# Allegro board RK3588_Template_LP4XD200P232SD10_32R6X52R0_2133MHz_H0R80_V10_20230220.brd (continued)
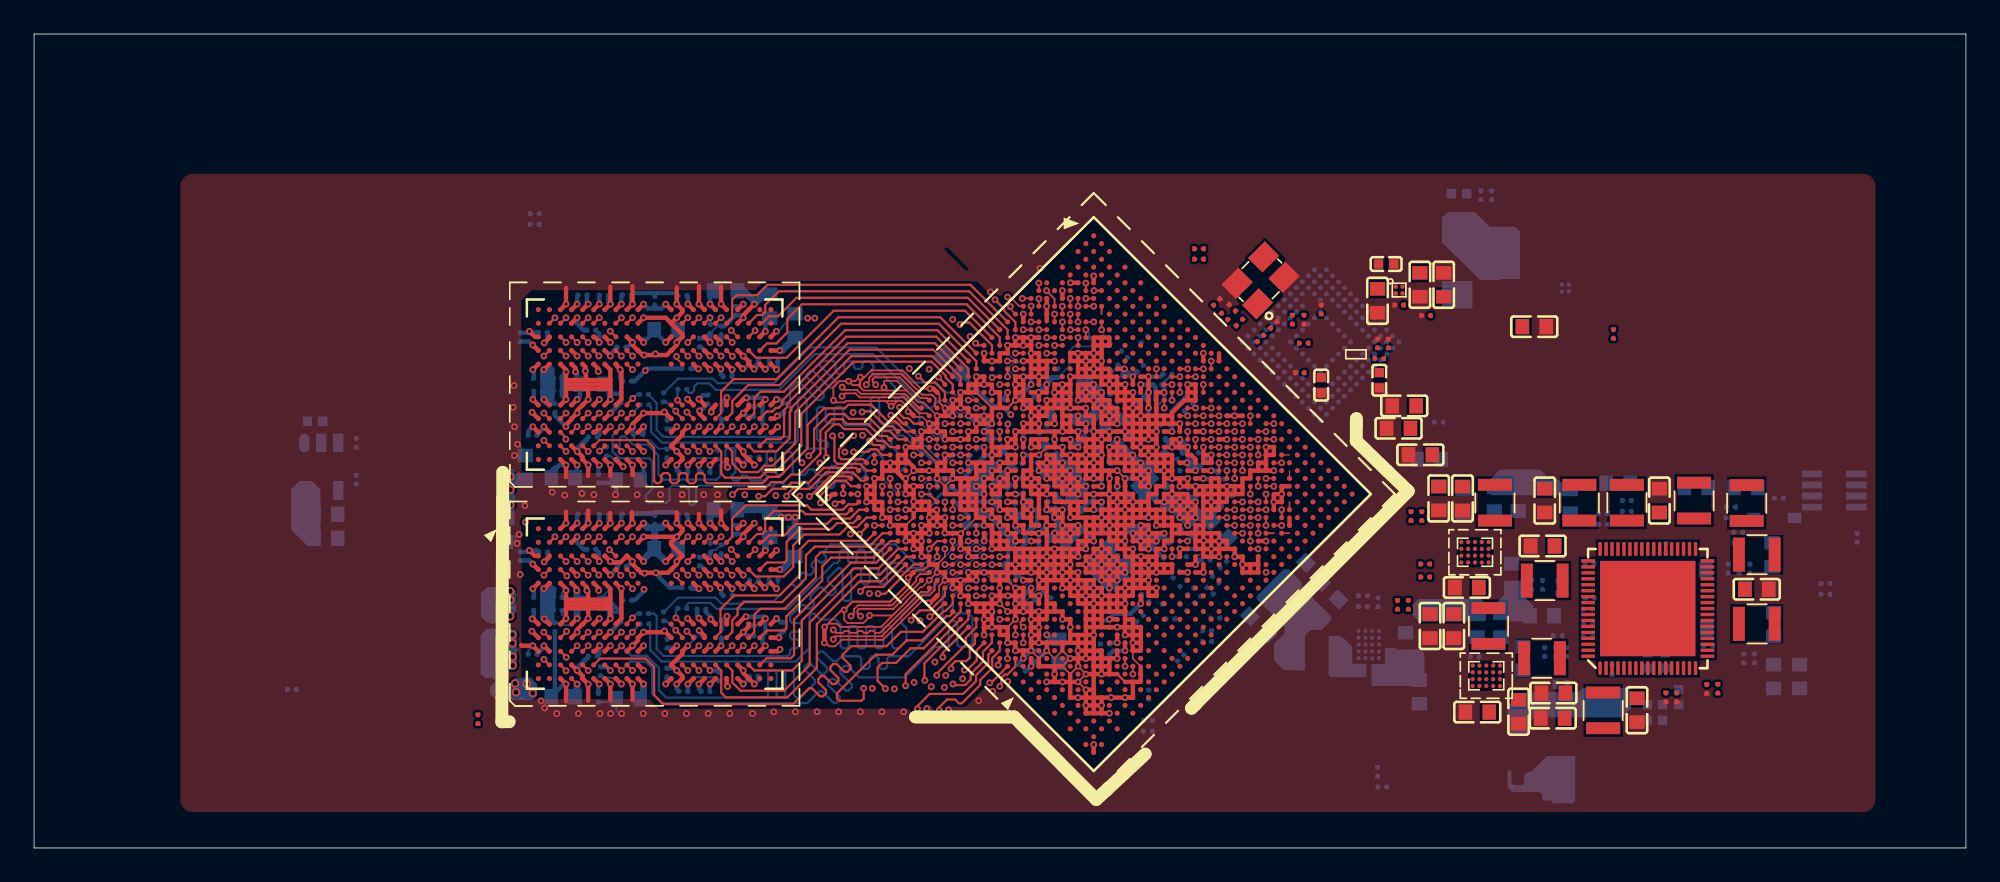
[diagram p0: board, top side]
## Routing (per net, layer and track width the routed paths; a pad name or vN(x,y) marks a point on that pad's centre or on a via; arc(x,y) is an arc through that point) (continued)
DDR_CH1_A5_C: length 29.8
  TOP w0.127: 51.95,24.92 U1000.B11 51.95,24.92 ; 51.95,24.92 51.63,24.92 51.31,25.24 51.05,25.24 50.8,25.49 v1(50.8,25.88) ; U3801.J11 v1(35.12,31.14)
  L8_S3 w0.094: v1(35.12,31.14) 35.59,31.61 36.17,31.61 36.27,31.51 36.27,31.2 36.36,31.11 36.55,31.11 36.64,31.2 36.64,31.51 36.74,31.61 36.92,31.61 37.02,31.51 37.02,31.2 37.11,31.11 37.3,31.11 37.39,31.2 37.39,31.51 37.49,31.61 42.93,31.61 43.04,31.72 43.04,31.87 43.15,31.98 43.37,31.98 43.48,31.87 43.48,31.66 43.57,31.57 43.82,31.57 43.91,31.66 43.91,31.87 44.02,31.98 44.24,31.98 44.33,31.88 44.33,31.08 44.47,30.94 44.62,30.94 44.72,31.04 44.72,31.88 44.81,31.98 45.95,31.98 46.05,31.88 46.05,31.69 46,31.64 45.18,31.64 45.05,31.5 45.05,30.74 45.34,30.45 46.25,30.45 46.35,30.54 46.35,31.19 46.44,31.28 46.63,31.28 46.72,31.19 46.72,30.54 46.82,30.45 47.46,30.45 50.8,27.1 v1(50.8,25.88)
DDR_CH1_A5_D: length 17.8
  TOP w0.127: U3801.P11 v1(38.37,31.14) ; U1000.B14 53.46,26.75 52.87,27.34 52.27,27.34 v1(51.9,27.71)
  L4-S1 w0.094: v1(51.9,27.71) 50.76,27.71 48.5,29.96 41.78,29.96 41.7,30.04 39.47,30.04 v1(38.37,31.14)
DDR_CH1_CLKN_C: length 33.6
  TOP w0.102: U1000.A12 52,25.84
  TOP w0.104: 52,25.84 52,25.84 51.94,25.84 51.11,26.67 50.16,26.67 50.16,26.67 49.99,26.67 49.99,26.67 48.53,26.67 48.3,26.9 47.59,26.9 v1(47.43,27.06) ; U3801.J9 v1(35.12,28.89)
  L4-S1 w0.086: v1(35.12,28.89) 35.12,28.68 35.21,28.59 36.45,28.59 36.95,28.1 36.95,27.7 36.74,27.49 34.05,27.49 33.63,27.91 33.63,28.12 33.43,28.32 30.95,28.32 30.87,28.25 30.87,27.97 30.48,27.57 30.48,27.18 30.53,27.12 38.44,27.12 38.47,27.1 39.52,27.1 39.61,27 44.08,27 44.52,26.56 46.38,26.56 46.74,26.91 47.28,26.91 v1(47.43,27.06)
DDR_CH1_CLKN_D: length 20.6
  TOP w0.104: U3801.P9 v1(38.37,28.89) ; v1(49.4,27.21) 49.22,27.38 49.22,27.53 49.32,27.64 50.8,27.64 51.87,26.57 51.88,26.57 52.03,26.41 52.42,26.41 U1000.A13
  L4-S1 w0.086: v1(38.37,28.89) 38.14,28.66 38.14,28.31 38.72,27.73 39.75,27.73 39.88,27.6 44.12,27.6 44.22,27.7 44.45,27.7 44.55,27.6 44.82,27.6 44.92,27.7 45.15,27.7 45.25,27.6 45.72,27.6 45.87,27.74 45.87,28.02 46.04,28.2 46.75,28.2 46.84,28.28 46.84,28.88 47.04,29.08 47.38,29.08 47.59,28.88 47.59,28.28 47.67,28.2 47.84,28.2 47.92,28.28 47.92,28.58 48.13,28.78 48.47,28.78 48.68,28.58 48.68,28.28 48.76,28.2 49.02,28.2 49.22,27.99 49.22,27.38 v1(49.4,27.21)
DDR_CH1_CLKP_C: length 34.3
  TOP w0.104: U3801.J8 v1(35.12,28.09) ; v1(47.42,26.53) 47.58,26.69 48.21,26.69 48.44,26.46 49.91,26.46 49.91,26.46 50.24,26.46 51.03,26.46 51.48,26.01 51.48,25.99 51.94,25.53 52.39,25.53 U1000.B12
  L4-S1 w0.086: v1(35.12,28.09) 35.12,28.3 35.21,28.39 36.37,28.39 36.74,28.01 36.74,27.78 36.66,27.7 34.13,27.7 33.83,28 33.83,28.21 33.51,28.52 30.86,28.52 30.67,28.33 30.67,28.06 30.27,27.66 30.27,27.09 30.45,26.92 38.36,26.92 38.38,26.9 39.43,26.9 39.53,26.8 43.99,26.8 44.44,26.35 45.81,26.35 45.91,26.25 46.13,26.25 46.24,26.35 46.47,26.35 46.82,26.71 47.25,26.71 v1(47.42,26.53)
DDR_CH1_CLKP_D: length 21.9
  TOP w0.104: U3801.P8 37.7,28.75 v1(37.7,28.87) ; v1(48.84,27.21) 49.01,27.37 49.01,27.62 49.24,27.84 50.89,27.84 51.95,26.77 51.96,26.77 52.12,26.62 52.7,26.62 52.91,26.41 52.91,26.18 52.87,26.15 52.87,25.94 52.97,25.84 U1000.B13
  L4-S1 w0.086: v1(37.7,28.87) 37.94,28.63 37.94,28.22 38.63,27.53 39.67,27.53 39.8,27.4 44.2,27.4 44.3,27.5 44.36,27.5 44.47,27.4 45.81,27.4 46.4,27.99 46.83,27.99 47.04,28.2 47.04,28.79 47.13,28.88 47.3,28.88 47.38,28.79 47.38,28.2 47.59,27.99 47.92,27.99 48.13,28.2 48.13,28.5 48.21,28.58 48.39,28.58 48.47,28.5 48.47,28.2 48.68,27.99 48.93,27.99 49.02,27.91 49.02,27.38 v1(48.84,27.21)
DDR_CH1_DM0_C: length 25.1
  TOP w0.089: U1000.F8 v1(52.08,21.7)
  TOP w0.127: U3801.C3 31.21,24.1 v1(31.21,24.01)
  L4-S1 w0.094: v1(31.21,24.01) 31.54,23.67 31.54,21.94 32.26,21.22 48.43,21.22 48.73,20.92 48.98,20.92 48.98,20.93 48.99,20.93 49.63,21.57 49.63,21.58 50.07,22.01 50.46,22.01 50.73,21.75 50.73,21.67 51.06,21.34 51.27,21.34 51.49,21.56 51.94,21.56 v1(52.08,21.7)
DDR_CH1_DM0_D: length 18.4
  TOP w0.127: U3801.Y3 v1(42.27,24.74) ; v1(57.14,27.68) U1000.D20
  L4-S1 w0.094: v1(57.14,27.68) 56.78,28.03 56.78,28.51 56.39,28.91 56.35,28.91 56.35,28.91 56.08,28.91 56.08,28.91 56.06,28.91 55.89,28.73 55.62,28.73 55.51,28.85 55.3,28.85 53.04,26.59 48.48,26.59 47.61,25.72 43.25,25.72 v1(42.27,24.74)
DDR_CH1_DM1_C: length 26.5
  TOP w0.127: v1(49.78,21.24) 49.78,21.24 U1000.D4 ; U3801.C10 v1(31.22,29.69)
  L8_S3 w0.094: v1(31.22,29.69) 31.64,29.27 33.36,29.27 33.5,29.12 33.5,28.73 33.75,28.48 44.75,28.48 45.81,27.42 45.81,26.39 46.61,25.59 47.54,25.59 47.97,26.02 48.86,26.02 48.97,25.91 48.97,25.2 49.9,24.26 49.9,21.36 v1(49.78,21.24)
DDR_CH1_DM1_D: length 19.3
  TOP w0.127: v1(57.6,29.05) U1000.D22 ; U3801.Y10 v1(42.32,30.39)
  L6-S2 w0.089: v1(57.6,29.05) 57.6,29.51 57.46,29.64 57.46,29.65 57.27,29.84 57.26,29.84 56.98,30.12
  L6-S2 w0.094: v1(42.32,30.39) 44.67,32.73 54.83,32.73 56.98,30.58 56.98,30.12
DDR_CH1_DQ0_C: length 26.4
  TOP w0.127: v1(40.99,20.75) 41.33,21.08 42.88,21.08 43.28,21.48 43.98,21.48 44.42,21.93 44.92,21.93 46.15,23.16 46.15,24.49 46.83,25.17 47.43,25.17 47.7,24.9 48.95,24.9 49.65,24.19 50.05,24.19 U1000.A8 ; U3801.B2 v1(29.92,23.94)
  L8_S3 w0.094: v1(40.99,20.75) 40.52,21.22 39.11,21.22 30.73,21.22 30.73,21.22 30.59,21.22 29.92,21.89 v1(29.92,23.94)
DDR_CH1_DQ0_D: length 15.9
  TOP w0.127: U3801.AA2 42.99,24 43.81,24 44.02,24.22 44.02,25.71 44.21,25.9 44.21,26.1 47.75,29.64 52.87,29.64 U1000.A17
DDR_CH1_DQ1_C: length 24.3
  TOP w0.127: v1(45.47,23.03) 45.49,23.03 45.78,23.32 45.78,24.61 46.66,25.48 47.56,25.48 47.85,25.2 49.08,25.2 49.8,24.48 50.22,24.48 50.7,24 U1000.B9 ; U3801.C2 v1(31.22,23.29)
  L8_S3 w0.094: v1(45.47,23.03) 44.74,23.75 43.83,23.75 43.74,23.65 43.74,23.55 43.65,23.45 43.46,23.45 43.36,23.55 43.36,23.65 43.27,23.75 43.08,23.75 42.99,23.65 42.99,23.55 42.89,23.45 42.71,23.45 42.61,23.55 42.61,23.87 42.52,23.96 31.9,23.96 v1(31.22,23.29)
DDR_CH1_DQ1_D: length 17.1
  TOP w0.127: U1000.B16 54.38,27.67 52.78,29.26 47.86,29.26 44.44,25.84 44.44,25.68 44.35,25.59 44.35,24.06 43.58,23.29 42.27,23.29 U3801.Y2
DDR_CH1_DQ2_C: length 24.7
  TOP w0.127: v1(48.6,25.6) 48.63,25.64 49.1,25.64 49.98,24.77 50.39,24.77 U1000.A9 ; U3801.E2 v1(32.52,23.29)
  L8_S3 w0.094: v1(32.52,23.29) 32.9,23.67 41.99,23.67 43.4,22.25 49.55,22.25 49.66,22.36 49.66,24.03 48.6,25.1 v1(48.6,25.6)
DDR_CH1_DQ2_D: length 18.7
  TOP w0.127: U1000.A16 53.92,27.67 52.71,28.88 47.96,28.88 44.67,25.6 44.67,23.77 43.35,22.44 42.86,22.44 42.49,22.07 41.49,22.07 40.98,22.58 40.98,23.28 U3801.V2
DDR_CH1_DQ3_C: length 27.1
  TOP w0.127: U3801.F2 33.19,23.95 35.93,23.95 36.39,23.5 36.39,21.55 36.52,21.42 36.69,21.42 36.82,21.55 36.82,21.89 36.94,22.02 37.2,22.02 37.33,21.89 37.33,21.55 37.45,21.42 37.71,21.42 37.83,21.55 37.83,21.89 37.96,22.02 38.21,22.02 38.34,21.89 38.34,21.55 38.47,21.42 38.72,21.42 38.85,21.55 38.85,21.89 38.98,22.02 39.23,22.02 39.36,21.89 39.36,21.55 39.48,21.42 42.75,21.42 43.13,21.79 43.73,21.79 45.4,23.47 45.4,24.84 46.37,25.82 47.58,25.82 47.8,26.03 49.13,26.03 50.1,25.06 50.55,25.06 51.15,24.46 51.62,24.46 U1000.B10
DDR_CH1_DQ3_D: length 20.4
  TOP w0.127: U1000.B15 53.92,26.76 53.92,27.22 53.5,27.63 53.5,27.74 52.68,28.55 48.09,28.55 45.03,25.49 45.03,23.61 43.5,22.09 42.96,22.09 42.61,21.75 40.57,21.75 40.33,21.98 40.33,23.24 40.33,23.28 U3801.U2
DDR_CH1_DQ4_C: length 22.3
  TOP w0.127: U3801.F4 v1(33.17,25.54) ; v1(49.32,22.65) U1000.A6
  L8_S3 w0.094: v1(33.17,25.54) 33.17,25.89 33.3,26.02 33.69,26.02 33.69,26.02 33.95,26.02 33.95,26.02 34.34,26.02 34.34,26.02 34.6,26.02 34.6,26.02 34.99,26.02 34.99,26.02 35.25,26.02 35.25,26.02 35.68,26.02 35.78,26.11 35.78,26.44 35.87,26.53 36.06,26.53 36.15,26.44 36.15,25.61 36.22,25.55 36.41,25.55 36.53,25.66 36.53,26.44 36.62,26.53 36.81,26.53 36.91,26.44 36.91,26.11 37.05,25.97 38.72,25.97 38.77,26.02 40.33,26.02 40.42,25.93 40.42,25.59 40.52,25.5 40.71,25.5 40.8,25.59 40.8,25.93 40.89,26.02 41.49,26.02 41.49,26.02 41.75,26.02 41.76,26.02 42.79,26.02 42.79,26.02 43.05,26.02 43.06,26.02 43.44,26.02 43.44,26.02 44.11,26.02 46.49,23.63 48.34,23.63 v1(49.32,22.65)
DDR_CH1_DQ4_D: length 19.4
  TOP w0.127: U3801.U4 40.32,25.54 40.32,26.8 41.05,27.53 43.58,27.53 47.21,31.17 53.18,31.17 U1000.A19
DDR_CH1_DQ5_C: length 22.8
  TOP w0.127: U1000.B7 49.77,23.08 49.42,23.42 49.12,23.42 48.96,23.26 v1(48.1,23.26) ; U3801.E4 v1(32.52,25.54)
  L8_S3 w0.094: v1(32.52,25.54) 32.91,25.15 36.05,25.15 36.15,25.05 36.15,24.74 36.24,24.65 36.43,24.65 36.52,24.74 36.52,25.05 36.62,25.15 36.81,25.15 36.9,25.05 36.9,24.68 36.99,24.59 37.18,24.59 37.28,24.68 37.28,25.05 37.37,25.15 42.08,25.15 42.19,25.26 42.19,25.51 42.3,25.61 42.91,25.61 43.02,25.5 43.02,25.16 43.14,25.04 44.12,25.04 44.23,24.93 44.23,24.65 44.23,24.65 44.23,24.54 44.33,24.45 44.52,24.45 44.61,24.54 44.61,24.78 44.7,24.88 44.82,24.88 46.35,23.35 46.78,23.35 47.27,22.87 47.7,22.87 v1(48.1,23.26)
DDR_CH1_DQ5_D: length 18.7
  TOP w0.127: U3801.V4 40.98,25.55 40.98,26.26 41.91,27.18 43.75,27.18 47.36,30.79 53.11,30.79 55.3,28.6 U1000.B18
DDR_CH1_DQ6_C: length 22.3
  TOP w0.127: U1000.A7 49.66,23.66 49.27,23.66 v1(49.03,23.9) ; U3801.C4 v1(31.22,25.54)
  L8_S3 w0.094: v1(31.22,25.54) 31.22,25.89 31.54,26.21 31.54,26.54 31.85,26.85 34.27,26.85 34.36,26.76 34.36,26.35 34.46,26.26 34.64,26.26 34.74,26.35 34.74,26.76 34.83,26.85 43.71,26.85 46.7,23.86 48.99,23.86 v1(49.03,23.9)
DDR_CH1_DQ6_D: length 16.3
  TOP w0.127: U1000.A18 54.28,29.15 54.27,29.15 53.02,30.4 47.61,30.4 44,26.79 42.64,26.79 42.27,26.43 42.27,25.54 U3801.Y4
DDR_CH1_DQ7_C: length 25.1
  TOP w0.127: U1000.B8 50.24,23.54 49.88,23.91 49.51,23.91 48.82,24.6 47.54,24.6 47.26,24.88 46.95,24.88 46.46,24.39 46.46,22.98 v1(46.5,22.93) ; U3801.B4 v1(29.92,25.54)
  L8_S3 w0.094: v1(29.92,25.54) 30.14,25.76 30.29,25.76 30.98,25.07 31.42,25.07 31.54,24.95 31.54,24.37 31.63,24.27 43.37,24.27 43.52,24.13 45.07,24.13 46.26,22.93 v1(46.5,22.93)
DDR_CH1_DQ7_D: length 15.6
  TOP w0.127: U3801.AA4 42.92,25.54 43.02,25.63 43.33,25.63 43.54,25.84 43.69,25.84 43.91,26.06 43.91,26.28 47.66,30.02 52.95,30.02 54.84,28.14 U1000.B17
DDR_CH1_DQ8_C: length 30.4
  TOP w0.127: v1(45.5,20.65) 45.55,20.65 46.73,21.82 47.82,21.82 U1000.A3 ; U3801.B11 v1(30.57,31.14)
  L6-S2 w0.089: 45,20.09 45.5,20.59 v1(45.5,20.65)
  L6-S2 w0.094: 45,20.09 44.97,20.09 44.95,20.07 30.69,20.07 29.6,21.16 29.6,29.88 30.57,30.85 v1(30.57,31.14)
DDR_CH1_DQ8_D: length 15.5
  TOP w0.127: U3801.AA11 42.72,30.81 43.14,31.23 43.67,31.23 44.75,32.31 54.8,32.31 U1000.A22
DDR_CH1_DQ9_C: length 33.7
  TOP w0.127: U3801.C11 v1(31.22,31.14) ; 48.31,21.24 U1000.B3 48.31,21.24 ; 48.31,21.24 47.95,21.24 47.62,21.57 47.02,21.57 46.16,20.71 v1(46.16,20.26)
  L6-S2 w0.089: 45,19.78 45.67,19.78 v1(46.16,20.26)
  L6-S2 w0.094: 45,19.78 30.56,19.78 29.24,21.1 29.24,23.97 28.9,24.31 28.9,29.72 29.75,30.57 29.75,31.16 30.12,31.53 30.75,31.53 31.14,31.14 v1(31.22,31.14)
DDR_CH1_DQ9_D: length 17.6
  TOP w0.127: U1000.B22 57.14,30.43 54.87,32.69 43.71,32.69 42.91,31.89 42.91,31.48 42.73,31.3 42.43,31.3 U3801.Y11
DDR_CH1_DQ10_C: length 32.5
  TOP w0.127: U1000.A2 v1(47.48,20.8) ; U3801.E11 v1(32.52,31.14)
  L8_S3 w0.094: v1(47.48,20.8) 48.27,21.59 48.97,21.59 49.25,21.31 49.25,21.14 49.51,20.88 49.89,20.88 50.11,21.1 50.11,21.12 50.56,21.57 50.56,21.58 50.6,21.63 50.6,22.96 50.34,23.23 50.34,24.31 49.3,25.35 49.3,26.15 49.03,26.41 47.92,26.41 47.43,25.92 46.71,25.92 46.19,26.44 46.19,27.6 44.92,28.87 43.33,28.87 43.12,29.09 42.76,29.09 42.54,28.87 42.27,28.87 42.16,28.98 42.16,29.46 42.05,29.57 41.68,29.57 41.59,29.48 41.59,29.37 41.49,29.27 39.4,29.27 39.29,29.38 39.29,29.66 39.18,29.77 38.96,29.77 38.85,29.66 38.85,29.38 38.75,29.27 37.25,29.27 37.23,29.26 36.83,29.26 36.49,29.6 36.49,29.67 36.4,29.77 36.26,29.77 36.17,29.67 36.17,29.39 36.07,29.3 35.54,29.3 35.45,29.39 35.45,29.96 35.25,30.16 34.51,30.16 33.96,30.71 32.91,30.71 32.52,31.1 v1(32.52,31.14)
DDR_CH1_DQ10_D: length 18.9
  TOP w0.127: U1000.A23 54.96,33.07 43.04,33.07 42.42,32.46 41.23,32.46 40.97,32.2 40.97,31.14 U3801.V11
DDR_CH1_DQ11_C: length 32.7
  TOP w0.127: U1000.B2 v1(48.35,20.78) ; U3801.F11 v1(33.17,31.14)
  L8_S3 w0.094: v1(48.35,20.78) 49.06,20.78 49.6,20.24 50.16,20.24 50.84,20.91 51.02,21.09 51.02,21.37 51.01,21.38 51.01,21.4 50.84,21.57 50.84,21.58 50.83,21.59 50.83,23.21 50.67,23.37 50.67,24.45 49.64,25.48 49.64,26.44 49.29,26.79 48.81,26.79 48.15,27.45 48.15,27.63 47.84,27.94 46.49,27.94 44.54,29.9 43.28,29.9 43.18,29.79 43.18,29.56 43.07,29.45 42.85,29.45 42.74,29.56 42.74,29.79 42.63,29.9 41.95,29.9 41.86,29.99 41.86,30.39 41.76,30.48 41.59,30.48 41.48,30.37 41.48,30.02 41.39,29.92 41.25,29.92 41.11,30.07 40.02,30.07 39.91,30.18 39.91,30.41 39.8,30.52 39.58,30.52 39.47,30.41 39.47,30.18 39.36,30.07 39.14,30.07 39.04,30.18 39.04,30.41 38.93,30.52 38.71,30.52 38.6,30.41 38.6,30.18 38.49,30.07 38.27,30.07 38.16,30.18 38.16,30.41 38.05,30.52 37.83,30.52 37.73,30.41 37.73,30.18 37.62,30.07 37.4,30.07 37.29,30.18 37.29,30.41 37.18,30.52 36.96,30.52 36.85,30.41 36.85,30.18 36.74,30.07 36.56,30.07 36.16,30.46 34.61,30.46 33.93,31.14 v1(33.17,31.14)
DDR_CH1_DQ11_D: length 20
  TOP w0.127: U1000.B23 57.59,30.88 56.94,31.54 56.94,31.66 v1(56.4,32.2) ; U3801.U11 v1(40.32,31.14)
  L6-S2 w0.094: v1(56.4,32.2) 55.85,32.2 54.97,33.07 44.47,33.07 42.96,31.57 40.75,31.57 v1(40.32,31.14)
DDR_CH1_DQ12_C: length 26.3
  TOP w0.127: U1000.A5 48.86,22.62 48.65,22.83 48.47,22.83 47.38,22.83 47.24,22.97 47.24,23.42 47.99,24.17 48.06,24.17 v1(48.1,24.21) ; v1(33.14,28.89) 33.17,28.89 U3801.F9
  L8_S3 w0.094: v1(48.1,24.21) 48.12,24.23 48.12,24.36 47.28,25.2 46.5,25.2 45.09,26.61 45.09,26.92 45.33,27.16 45.33,27.31 45.18,27.47 45.02,27.47 44.78,27.23 44.63,27.23 44.48,27.38 44.48,27.54 44.72,27.78 44.72,27.93 44.49,28.15 44.18,28.15 44.08,28.05 44.08,27.77 43.89,27.58 38.66,27.58 38.55,27.69 38.55,28.05 38.44,28.16 38.22,28.16 38.11,28.05 38.11,27.69 38,27.58 37.79,27.58 37.68,27.69 37.68,28.05 37.57,28.16 37.35,28.16 37.24,28.05 37.24,27.69 37.13,27.58 36.91,27.58 36.8,27.69 36.8,28.05 36.69,28.16 36.48,28.16 36.37,28.05 36.37,27.69 36.24,27.56 33.62,27.56 33.49,27.69 33.49,28.22 33.14,28.57 v1(33.14,28.89)
DDR_CH1_DQ12_D: length 18
  TOP w0.127: 55.76,29.51 U1000.A20 55.76,29.51 ; 55.76,29.51 55.39,29.51 v1(55.26,29.64) ; U3801.U9 v1(40.32,28.89)
  L6-S2 w0.094: v1(40.32,28.89) 40.64,28.57 40.64,27.85 40.75,27.75 43.96,27.75 46.29,30.08 54.19,30.08 54.7,29.57 55.19,29.57 v1(55.26,29.64)
DDR_CH1_DQ13_C: length 26.7
  TOP w0.127: U1000.B5 48.87,22.16 48.47,22.56 47.15,22.56 46.97,22.73 46.97,24.1 v1(46.87,24.2) ; U3801.E9 v1(32.52,28.89)
  L8_S3 w0.094: v1(46.87,24.2) 46.87,24.39 44.05,27.21 31.7,27.21 31.23,26.73 30.63,26.73 30.55,26.81 30.55,27.47 30.66,27.58 32.66,27.58 32.76,27.68 32.76,28.3 32.52,28.54 v1(32.52,28.89)
DDR_CH1_DQ13_D: length 17.8
  TOP w0.127: U3801.V9 v1(40.98,28.87) ; v1(54.34,30.73) 54.47,30.86 54.89,30.86 56.22,29.53 56.22,29.05 U1000.B20
  L6-S2 w0.094: v1(54.34,30.73) 54.31,30.73 53.96,30.38 46.04,30.38 44.2,28.54 41.32,28.54 v1(40.98,28.87)
DDR_CH1_DQ14_C: length 30.6
  TOP w0.127: v1(42.53,20.66) 42.91,20.66 43.35,21.1 44.1,21.1 44.45,21.45 45.47,21.45 46.34,22.33 48.24,22.33 U1000.A4 ; U3801.C9 v1(31.22,28.89)
  L8_S3 w0.094: v1(42.53,20.66) 42.42,20.76 42.42,21.32 42.19,21.56 30.84,21.56 30.42,21.98 30.42,24.2 30.19,24.42 29.11,24.42 28.89,24.64 28.89,28.4 29.73,29.24 30.86,29.24 v1(31.22,28.89)
DDR_CH1_DQ14_D: length 16.2
  TOP w0.127: U3801.Y9 42.37,28.79 44.17,28.79 46.93,31.55 54.64,31.55 U1000.A21
DDR_CH1_DQ15_C: length 28.8
  TOP w0.127: U1000.B4 48.86,21.7 48.72,21.56 48.54,21.56 48.05,22.06 46.48,22.06 45.51,21.09 44.52,21.09 44.17,20.74 v1(44.17,20.66) ; U3801.B9 v1(29.92,28.89)
  L8_S3 w0.094: v1(29.92,28.89) 29.6,28.56 29.6,27.5 29.7,27.39 30.09,27.39 30.2,27.28 30.2,27.06 30.09,26.96 29.72,26.96 29.61,26.85 29.61,26.48 29.6,26.47 29.6,26.21 29.55,26.15 29.55,25.23 29.72,25.06 29.79,25.06 30.05,25.06 30.05,25.06 30.26,25.06 30.8,24.52 30.8,22.05 30.91,21.94 42.89,21.94 v1(44.17,20.66)
DDR_CH1_DQ15_D: length 16.9
  TOP w0.127: 56.68,29.51 U1000.B21 56.68,29.99 54.73,31.93 45.06,31.93 44.21,31.07 44.21,30.28 43.56,29.63 43.01,29.63 U3801.AA9
DDR_CH1_DQS0N_C: length 30.6
  TOP w0.104: U1000.D9 v1(51.62,23.08) ; U3801.E3 v1(32.52,24.74)
  L6-S2 w0.089: v1(32.52,24.74) 32.39,24.74 32.3,24.65 32.3,24.17 32.39,24.08 36.33,24.08 36.55,23.86 36.55,22.08 36.69,21.94 41.82,21.94 41.91,22.02 42.53,22.02 42.64,22.13 42.64,23.3 42.86,23.52 43.23,23.52 43.45,23.3 43.45,22.13 43.54,22.03 43.74,22.03 43.83,22.13 43.83,23.28 44.05,23.5 44.41,23.5 44.51,23.4 44.52,23.4 44.64,23.28 44.64,22.16 44.74,22.06 46.58,22.06 46.95,22.43 47.07,22.56 48.13,22.56 48.95,23.37 49.66,23.37 49.68,23.39 49.69,23.39 49.76,23.46 49.76,23.47 49.76,23.72 50.08,24.05 50.46,24.05 50.78,23.72 50.78,23.03 51.06,22.76 51.18,22.76 51.26,22.84 51.39,22.84 51.47,22.76 51.66,22.76 51.74,22.83 51.74,22.96 v1(51.62,23.08)
DDR_CH1_DQS0N_D: length 21.9
  TOP w0.104: v1(56.68,25.38) U1000.G16 ; U3801.V3 v1(40.97,24.74)
  L6-S2 w0.089: v1(40.97,24.74) 41.1,24.74 41.19,24.83 41.19,25 41.04,25.15 41.04,26.78 41.43,27.18 45.19,27.18 47.42,29.41 52.97,29.41 53.01,29.37 56.78,25.61 56.78,25.48 v1(56.68,25.38)
DDR_CH1_DQS0P_C: length 31.3
  TOP w0.102: U1000.E9 v1(52.08,22.62) U1000.E9
  TOP w0.104: U3801.D3 v1(31.87,24.74)
  L6-S2 w0.089: v1(31.87,24.74) 31.97,24.74 32.09,24.61 32.09,24.09 32.31,23.87 32.48,23.87 36.24,23.87 36.34,23.77 36.34,21.99 36.6,21.73 36.77,21.73 36.77,21.73 41.91,21.73 41.99,21.82 42.62,21.82 42.84,22.04 42.84,22.21 42.84,23.21 42.94,23.31 43.14,23.31 43.24,23.21 43.24,22.04 43.46,21.83 43.82,21.83 44.04,22.04 44.04,23.2 44.14,23.3 44.33,23.3 44.43,23.2 44.44,23.2 44.44,22.07 44.65,21.86 46.66,21.86 47.16,22.35 48.22,22.35 49.04,23.17 49.75,23.17 49.77,23.19 49.77,23.19 49.96,23.38 49.96,23.55 49.96,23.55 49.96,23.64 50.17,23.84 50.37,23.84 50.58,23.64 50.58,22.95 50.98,22.54 52,22.54 v1(52.08,22.62)
DDR_CH1_DQS0P_D: length 22.1
  TOP w0.104: U1000.H16 57.14,24.88 57.14,24.88 57.14,24.9 v1(57.15,24.9) ; U3801.W3 v1(41.62,24.74)
  L6-S2 w0.089: v1(41.62,24.74) 41.49,24.74 41.4,24.83 41.4,25.08 41.24,25.23 41.24,26.7 41.52,26.97 45.27,26.97 47.5,29.21 52.89,29.21 53.01,29.09 55.15,26.94 55.15,26.93 56.31,25.77 56.31,25.27 56.68,24.9 v1(57.15,24.9)
DDR_CH1_DQS1N_C: length 32.7
  TOP w0.102: U1000.D5 v1(50.24,21.7) U1000.D5
  TOP w0.104: U3801.E10 v1(32.52,29.69)
  L6-S2 w0.089: v1(50.24,21.7) 50.28,21.73 50.28,21.87 50.1,22.04 48.93,22.04 48.57,21.68 47.63,21.68 47.52,21.56 47.15,21.2 45.01,21.2 42.25,21.2 42.16,21.11 33.12,21.11 32.84,21.4 31.11,21.4 30.48,22.02 30.48,29.79 31.03,30.34 32.02,30.34 32.31,30.06 32.31,29.78 32.4,29.69 v1(32.52,29.69)
DDR_CH1_DQS1N_D: length 22.3
  TOP w0.104: U3801.V10 v1(40.97,29.69) ; U1000.E21 v1(57.6,28.13)
  L6-S2 w0.089: v1(40.97,29.69) 40.96,29.84 41.05,29.95 41.13,29.95 41.41,29.95 41.78,29.58 43.25,29.58 43.27,29.6 43.27,29.6 43.43,29.76 44.06,29.76 44.56,30.26 44.56,31.5 44.56,31.5 44.56,31.52 45.03,31.99 54.52,31.99 55.76,30.75 55.76,30.67 55.76,30.1 56.55,29.3 56.55,28.41 56.76,28.19 56.76,28.19 56.86,28.09 57.21,28.09 57.35,28.22 57.51,28.22 v1(57.6,28.13)
DDR_CH1_DQS1P_C: length 33
  TOP w0.102: U1000.E5 v1(50.7,21.24) 50.7,21.24 U1000.E5
  TOP w0.104: U3801.D10 v1(31.87,29.69)
  L6-S2 w0.089: v1(31.87,29.69) 32,29.69 32.09,29.78 32.09,29.98 31.93,30.14 31.11,30.14 30.68,29.71 30.68,22.11 31.19,21.6 32.92,21.6 33.18,21.34 33.4,21.34 33.48,21.43 33.71,21.43 33.81,21.32 34.04,21.32 34.14,21.43 34.37,21.43 34.47,21.32 34.7,21.32 34.8,21.43 35.03,21.43 35.13,21.32 35.37,21.32 35.47,21.43 35.7,21.43 35.81,21.32 42.08,21.32 42.16,21.4 44.67,21.4 47.07,21.4 47.32,21.65 47.55,21.88 48.48,21.88 48.85,22.25 50.44,22.25 50.64,22.04 50.64,21.3 v1(50.7,21.24)
DDR_CH1_DQS1P_D: length 21.9
  TOP w0.104: U3801.W10 v1(40.92,30.39)
  TOP w0.119: v1(57.14,28.59) U1000.D21
  L6-S2 w0.089: v1(57.14,28.59) 57.14,28.49 57.02,28.38 56.88,28.38 56.75,28.5 56.75,29.39 55.96,30.18 55.96,30.58 55.96,30.83 54.6,32.19 44.95,32.19 44.36,31.61 44.36,31.59 44.35,31.58 44.35,30.34 43.97,29.96 43.35,29.96 43.19,29.8 43.18,29.8 43.16,29.78 41.87,29.78 41.5,30.16 41.02,30.16 40.93,30.24 v1(40.92,30.39)
DDR_CH1_LP4/4X_CKE0/LP5_CS0_C: length 33.4
  TOP w0.127: U1000.D11 v1(52.54,24)
  BOTTOM w0.127: R3812.1 36.21,25.89 36.21,24.44 36.84,23.81 44.7,23.81 44.83,23.93 44.83,26.35 44.96,26.48 45.21,26.48 45.34,26.35 45.34,23.54 45.43,23.45 46.46,23.45 46.59,23.59 46.59,23.78 46.46,23.91 46.05,23.91 45.95,24.01 45.95,25.77 46.08,25.9 46.33,25.9 46.46,25.77 46.46,25.06 46.59,24.93 46.84,24.93 46.97,25.06 46.97,25.77 47.1,25.9 47.35,25.9 47.48,25.77 47.48,24.94 47.6,24.81 48.97,24.81 49.09,24.94 49.09,26.34 49.22,26.47 49.47,26.47 49.6,26.34 49.6,25.06 49.73,24.93 51.1,24.93 52.03,24 v1(52.54,24)
DDR_CH1_LP4/4X_CKE0/LP5_CS0_D: length 21
  TOP w0.127: v1(54.84,26.3) U1000.D16
  BOTTOM w0.089: 53.93,26.74 54.4,26.28 54.82,26.28 v1(54.84,26.3)
  BOTTOM w0.127: R3814.1 37.8,27.56 39.85,27.56 40.12,27.29 43.43,27.29 45.52,29.39 49.43,29.39 51.49,27.33 52.93,27.33 53.51,26.74 53.93,26.74
DDR_CH1_LP4/4X_CKE0_C: length 1.1
  TOP w0.127: U3801.J4 v1(35.12,25.54)
  BOTTOM w0.127: R3812.2 35.58,26 v1(35.12,25.54)
DDR_CH1_LP4/4X_CKE0_D: length 1.6
  TOP w0.127: v1(37.66,25.65) 37.65,25.65 37.65,25.61 U3801.P4
  BOTTOM w0.127: v1(37.66,25.65) 37.11,26.21 R3814.2
DDR_CH1_LP4/4X_CKE1/LP5_CS1_C: length 34.3
  TOP w0.127: v1(53,23.54) U1000.E11
  BOTTOM w0.089: 51.96,25.04 53,24 v1(53,23.54)
  BOTTOM w0.127: 51.96,25.04 51.96,25.64 51.06,26.54 50.88,26.54 50.75,26.4 50.57,26.4 50.39,26.58 50.39,26.76 50.52,26.9 50.52,27.08 49.8,27.81 49.62,27.81 49.54,27.73 49.36,27.73 49.18,27.91 49.18,28.09 49.26,28.16 49.26,28.34 49.03,28.58 48.74,28.58 48.62,28.45 48.62,28.26 48.49,28.13 48.23,28.13 48.11,28.26 48.11,28.45 47.98,28.58 47.68,28.58 47.56,28.45 47.56,27.98 47.43,27.85 47.18,27.85 47.05,27.98 47.05,28.45 46.91,28.59 46.23,28.59 46.09,28.45 46.09,28.35 47.06,27.38 47.06,27.2 46.88,27.02 46.7,27.02 45.71,28.01 45.53,28.01 45.35,27.83 45.35,27.66 46.34,26.66 46.34,26.48 46.16,26.31 45.98,26.31 44.93,27.36 44.75,27.36 44.37,26.98 44.37,24.26 44.24,24.14 36.96,24.14 36.53,24.56 36.53,26.15 R3813.1
DDR_CH1_LP4/4X_CKE1/LP5_CS1_D: length 20.9
  TOP w0.127: U1000.E16 v1(55.3,25.84)
  BOTTOM w0.089: 53.45,26.28 53.58,26.16 53.59,26.16 54.05,25.7 54.05,25.7 54.19,25.57 54.24,25.51 54.51,25.51 54.57,25.57 54.57,25.57 54.84,25.84 v1(55.3,25.84)
  BOTTOM w0.127: R3815.1 38.3,26.85 38.43,26.73 38.61,26.73 38.74,26.85 38.74,27.09 38.93,27.28 39.63,27.28 40.01,26.9 43.72,26.9 45.83,29.01 49.23,29.01 52.4,25.83 52.66,25.83 53.11,26.28 53.45,26.28
DDR_CH1_LP4/4X_CKE1_C: length 1
  TOP w0.127: U3801.J5 34.8,26.06 v1(35.14,26.4)
  BOTTOM w0.127: R3813.2 35.37,26.63 v1(35.14,26.4)
DDR_CH1_LP4/4X_CKE1_D: length 1.1
  TOP w0.127: U3801.P5 37.77,26.29 37.77,26.3 v1(37.76,26.3)
  BOTTOM w0.127: R3815.2 37.76,26.9 v1(37.76,26.3)
DDR_CH1_LP4/4X_CS0_C: length 34.3
  TOP w0.127: U1000.G11 v1(53.92,22.62) ; U3801.H4 v1(34.47,25.54)
  L4-S1 w0.094: v1(53.92,22.62) 53.51,22.62 53.42,22.53 53.42,22.18 53.33,22.09 53.14,22.09 53.04,22.18 53.04,22.67 52.95,22.77 52.67,22.77 52.21,22.31 52.21,22.31 52.19,22.29 51.93,22.29 51.5,22.72 51.31,22.72 50.85,22.26 49.04,22.26 48.3,21.52 35.03,21.52 34.93,21.62 34.93,21.95 34.84,22.04 34.65,22.04 34.56,21.95 34.56,21.62 34.46,21.52 32.42,21.52 32.32,21.62 32.32,21.86 32.42,21.95 34.04,21.95 34.14,22.04 34.14,23.84 34.23,23.94 35.82,23.94 35.92,24.03 35.92,24.22 35.82,24.31 34.23,24.31 34.14,24.41 34.14,25.2 v1(34.47,25.54)
DDR_CH1_LP4/4X_CS0_D: length 22.2
  TOP w0.127: U1000.E19 v1(56.68,27.22) ; U3801.R4 v1(38.32,25.59)
  L4-S1 w0.094: v1(56.68,27.22) 56.68,27.63 56.55,27.75 56.55,27.76 56.36,27.95 56.36,27.95 56.31,28 54.93,28 53.24,26.31 49.92,26.31 48.83,25.22 44.95,25.22 44.09,24.36 40.83,24.36 40.65,24.53 40.65,24.91 40.39,25.18 38.73,25.18 v1(38.32,25.59)
DDR_CH1_LP4/4X_CS1_C: length 36.2
  TOP w0.127: U3801.H3 v1(34.47,24.74) ; 54.84,22.16 v1(54.38,22.16)
  BOTTOM w0.127: v1(54.38,22.16) 53.3,22.16 52.17,23.28 51.94,23.28 51,24.22 50.57,24.22 50.31,23.97 50.31,23.61 51.18,22.74 51.18,22.45 50.85,22.13 49.98,22.13 49.81,22.3 49.81,22.9 49.63,23.08 49.16,23.08 48.56,22.49 48.56,22.31 48.81,22.06 48.81,21.88 48.63,21.7 48.45,21.7 48.2,21.95 48.02,21.95 47.59,21.51 47.1,21.51 46.97,21.39 46.97,21.27 46.84,21.14 46.59,21.14 46.46,21.27 46.46,21.39 46.34,21.51 46.08,21.51 45.95,21.39 45.95,21.27 45.83,21.14 45.57,21.14 45.45,21.27 45.45,21.39 45.32,21.51 45.07,21.51 44.94,21.39 44.94,21.27 44.81,21.14 44.56,21.14 44.43,21.27 44.06,21.27 43.9,21.43 43.55,21.43 43.39,21.27 38.98,21.27 38.86,21.14 38.86,20.31 38.69,20.14 38.54,20.14 38.44,20.24 38.44,21.03 38.2,21.27 38.2,21.27 37.44,21.27 37.3,21.13 37.3,20.44 37.14,20.29 36.09,20.29 35.9,20.48 35.9,20.71 36.29,21.1 36.29,22.7 36.11,22.88 34.35,22.88 33.95,23.28 33.95,24.22 v1(34.47,24.74)
